# Altium PCB linux_board_PCB.PcbDoc (part 2 of 3)
Units mil, origin at the board's own origin, x right, y up, seen from the top; angles counter-clockwise.
Board outline 7095.54 x 3947.54 mil, 2 copper layers (Top Layer, Bottom Layer); 282 components, 277 nets, 1199 pads, 446 vias.
Unrouted connection lines stored in the file: 29.
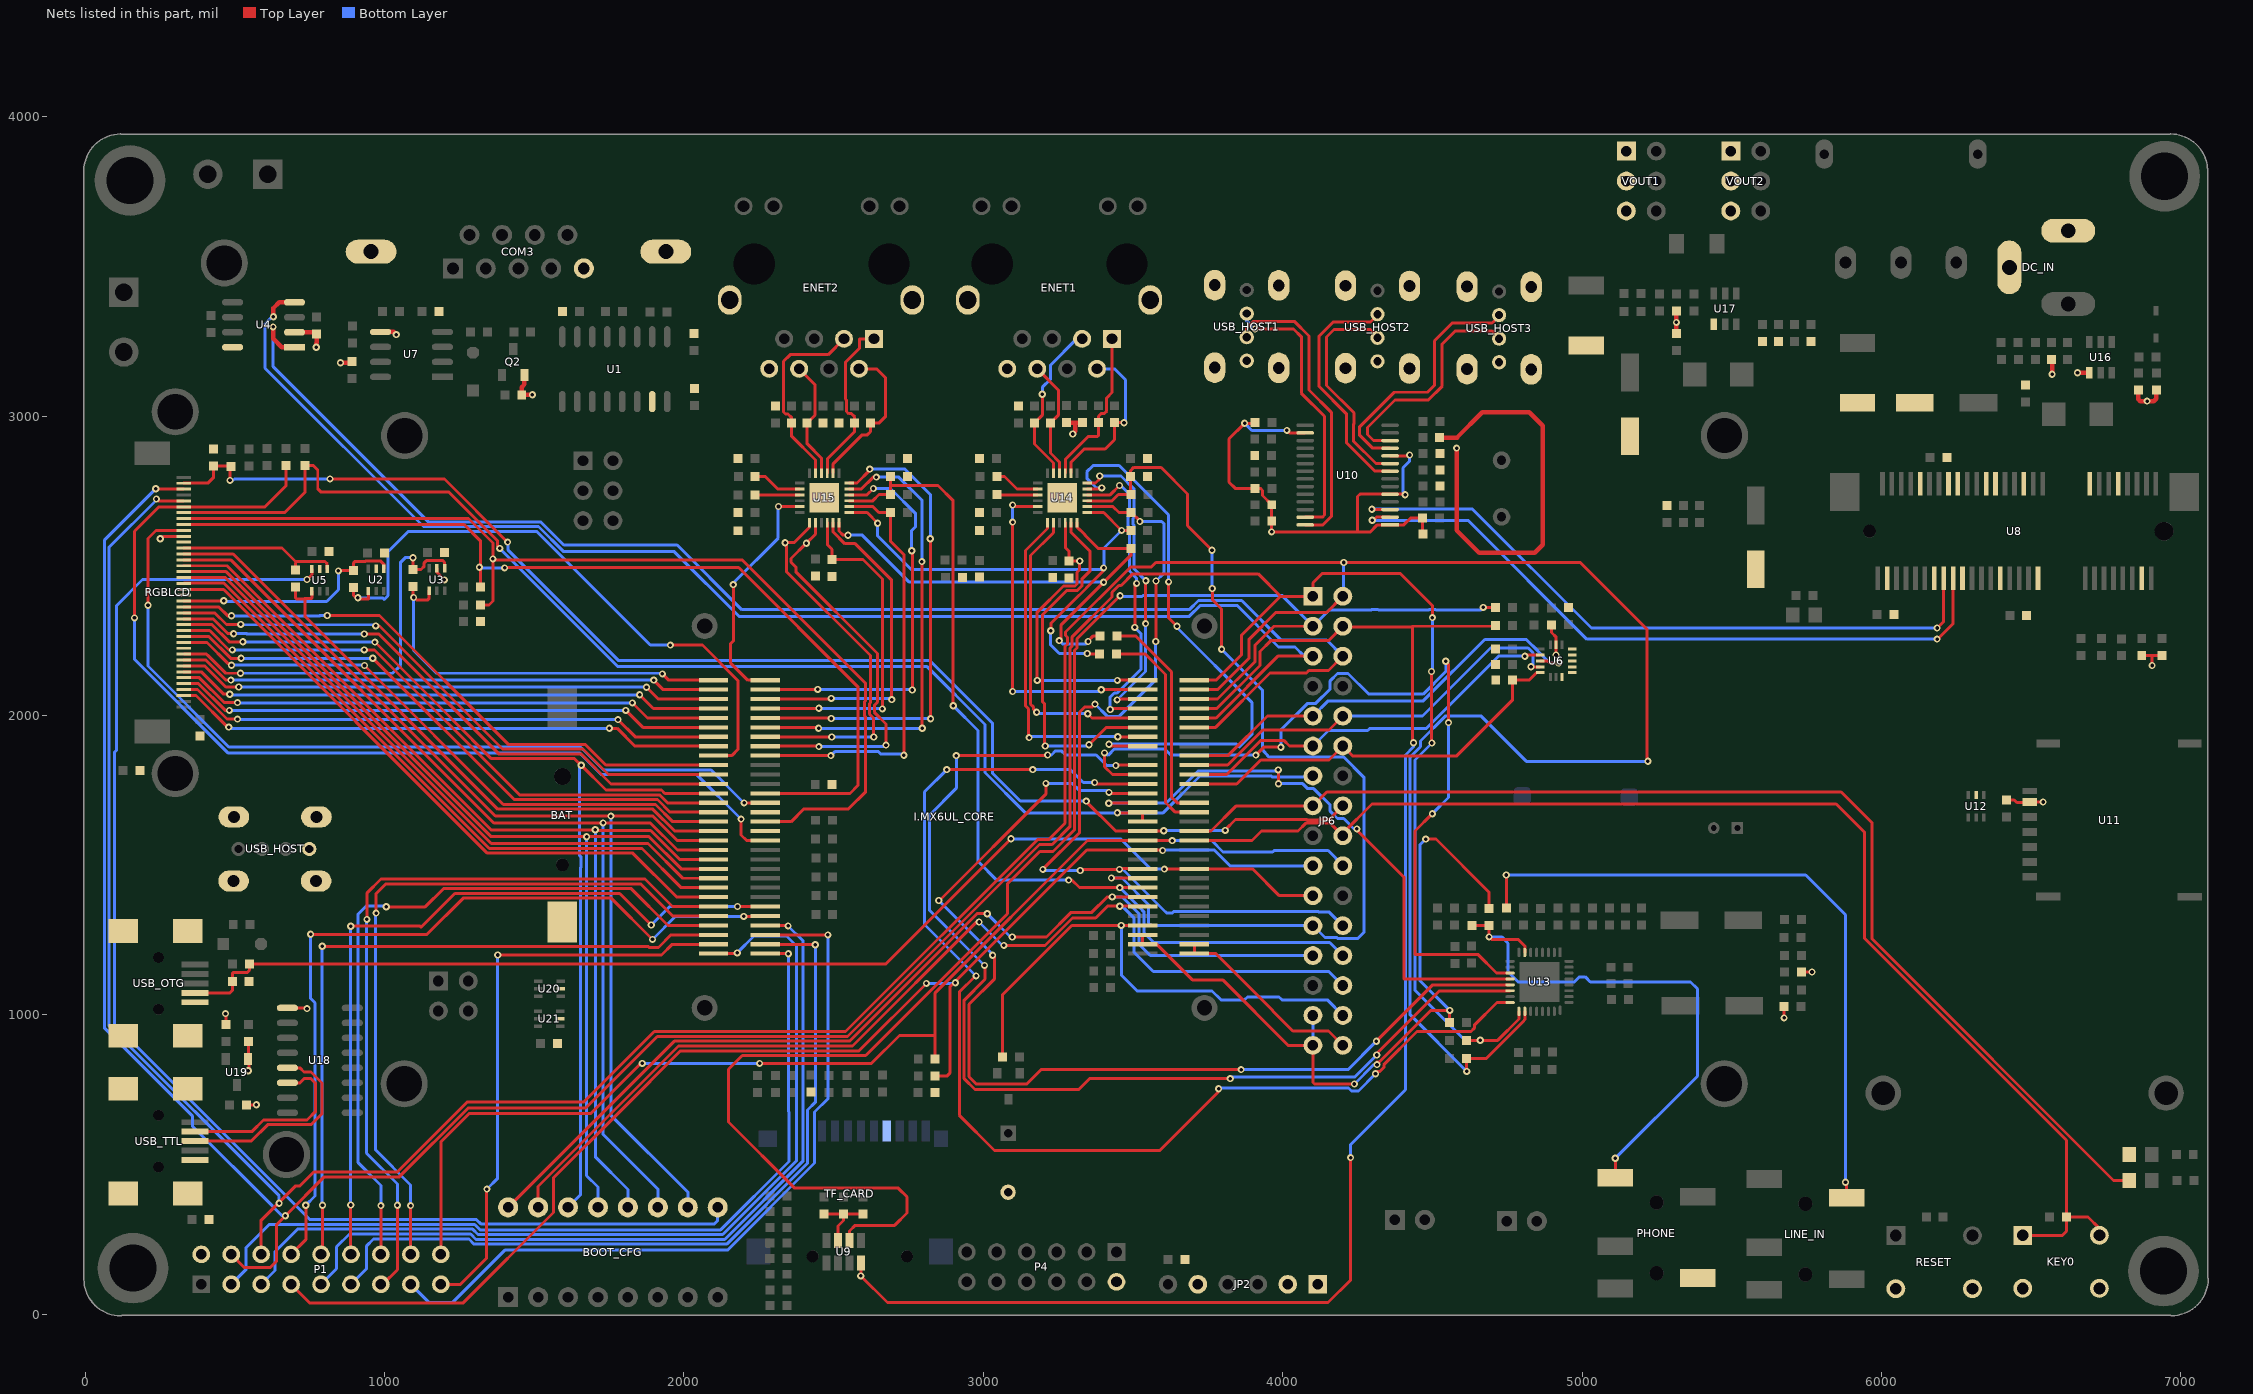
[diagram p2: the nets of this part, all layers, seen from the top]

## Via types
v1: diameter 24, hole 12, Top Layer to Bottom Layer, tented both sides, 317 vias
v2: diameter 24, hole 12, Top Layer to Bottom Layer, 127 vias
v3: diameter 29.53, hole 29.53, Top Layer to Bottom Layer, 2 vias

## Nets (pads, with @x,y where several pads share a name; then routed paths per layer and width w, separated by ;. In a path a pad name is that pad's centre, name@x,y a point inside that pad or via, vN(x,y) a via of type N, cw(c..) or ccw(c..) an arc to the next point about the centre after c; other vN are vias at no path point) (continued)
AUD_INT: I.MX6UL_CORE.J2_2 I.MX6UL_CORE.J2_3 JP6.29 JP6.31 R51.1 R52.2 | length 2531.2
  Top Layer w10: I.MX6UL_CORE.J2_3@3531.95,1267.3 I.MX6UL_CORE.J2_2@3531.95,1235.8 3579.4,1235.8 3698.2,1117 3799.47,1117 4018.47,898 JP6.31@4101,898 4101,774 4106,769 v2(4239.63,769) ; v2(4315,834) 4315,842 4316,843 4323.53,843 4495.53,1015 v1(4558,1015) 4557.75,1014.75 R51.1@4557.75,975 ; v2(4478,1587) 4512,1587 4689.5,1409.5 R52.2@4689.5,1355.25
  Bottom Layer w10: JP6.31@4101,898 JP6.29@4101,998 ; v2(4239.63,769) 4304.63,834 v2(4315,834) ; v2(4478,1587) 4458,1567 4458,1115 v1(4558,1015)
BEEP: I.MX6UL_CORE.J2_4 JP6.30 R18.1 | length 1741.7
  Top Layer w10: R18.1@3064.75,859 3064.75,1067.75 3295.8,1298.8 v1(3461,1298.8) I.MX6UL_CORE.J2_4@3531.95,1298.8
  Bottom Layer w10: v1(3461,1298.8) 3461,1133 3514,1080 3764.31,1080 3794.31,1050 3872.37,1050 3882.37,1060 3987.53,1060 3997.53,1050 4149,1050 JP6.30@4201,998
BLT_PWM: I.MX6UL_CORE.J2_15 I.MX6UL_CORE.J2_16 JP6.13 R16.1 RGBLCD.34 | length 4680.9
  Top Layer w10: RGBLCD.34@329.21,2677.25 666.25,2677.25 734,2745 R16.1@734,2834.75 762.25,2834.75 777,2820 777,2757 787,2747 1213.63,2747 1378,2582.63 1378,2565 v2(1385,2558) ; v1(3448,1675) 3530.2,1675 I.MX6UL_CORE.J2_16@3531.95,1676.75 I.MX6UL_CORE.J2_15@3531.95,1645.25
  Bottom Layer w10: v2(1385,2558) 1385,2557.37 1778.37,2164 2811,2164 3005.5,1969.5 3005.5,1809.5 3140,1675 v1(3448,1675) 3601,1675 3724,1798 3962,1798 3965,1795 4098,1795 JP6.13@4101,1798
BOOT_DATA7: BOOT_CFG.9 U5.3 | length 4455
  Top Layer w10: v1(741,2454) 757.41,2470.41 U5.3@757.41,2489.4
  Bottom Layer w10: v1(741,2454) 192,2454 104,2366 104,1883.18 98,1877.18 98,969 751,316 1307.63,316 1321.63,302 2102,302 2113,313 BOOT_CFG.9@2113,357
BOOT_MODE0: BOOT_CFG.15 I.MX6UL_CORE.J2_6 JP6.28 | length 3466.6
  Top Layer w10: BOOT_CFG.15@1513,357 1513,427 1982,896 2562.82,896 2981.41,1314.59 v1(2986,1310) ; v1(3069,1232) 3206.37,1232 3298,1323.63 3375.63,1323.63 3415,1363 v1(3456,1363) I.MX6UL_CORE.J2_6@3531.95,1363
  Bottom Layer w10: v1(2986,1310) 3064,1232 v1(3069,1232) ; v1(3456,1363) 3464,1363 3503,1324 3503,1210 3568,1145 4154,1145 JP6.28@4201,1098
BOOT_MODE1: BOOT_CFG.16 I.MX6UL_CORE.J2_7 JP6.25 | length 3424.7
  Top Layer w10: BOOT_CFG.16@1413,357 1968,912 2553.25,912 2979.63,1338.37 2980,1338 v1(3013,1338) ; v1(3096.5,1260) 3211,1260 3293.5,1342.5 3362.5,1342.5 3414,1394 v1(3431,1394) 3531.24,1394 I.MX6UL_CORE.J2_7@3531.95,1393.28
  Bottom Layer w10: v1(3013,1338) 3091,1260 v1(3096.5,1260) ; v1(3431,1394) 3464,1394 3520,1338 3520,1236 3558,1198 JP6.25@4101,1198
CAN1_RX: I.MX6UL_CORE.J2_35 JP6.5 U4.4 | length 4707
  Top Layer w10: I.MX6UL_CORE.J2_35@3705.18,1991.71 3777.71,1991.71 3984,2198 JP6.5@4101,2198
  Top Layer w15: v1(629,3332) 629,3361 648,3380 U4.4@699.35,3380
  Bottom Layer w10: v1(629,3332) 623.82,3332 601,3309.18 601,3160.17 1130.17,2631 1514.63,2631 1598.63,2547 1968.17,2547 2184.17,2331 3688.39,2331 3725.39,2368 3847.17,2368 3986.17,2229 4041,2229 4072,2198 JP6.5@4101,2198
  Bottom Layer w15: v1@627,3330 v1(629,3332)
CAN1_TX: I.MX6UL_CORE.J2_36 JP6.6 U4.1 | length 4848.9
  Top Layer w10: I.MX6UL_CORE.J2_36@3705.18,1960.21 3776.21,1960.21 3958,2142 4079.24,2142 4087.24,2150 4153,2150 JP6.6@4201,2198
  Top Layer w15: v1(628,3298) 628,3259 657,3230 U4.1@699.35,3230
  Bottom Layer w10: v1(628,3298) 628,3165 1146,2647 1521.25,2647 1598.75,2569.5 1977.5,2569.5 2193.5,2353.5 3688.27,2353.5 3718.76,2384 3863,2384 3995.5,2251.5 4120.26,2251.5 4120.76,2252 4147,2252 JP6.6@4201,2198
CAN2_RX: I.MX6UL_CORE.J2_40 JP6.10 U6.4 | length 1378.9
  Top Layer w10: I.MX6UL_CORE.J2_40@3705.18,1834.23 3816.23,1834.23 3933.5,1951.5 4154.5,1951.5 JP6.10@4201,1998 ; v1(4829.57,2162.57) U6.4@4859.96,2162.57
  Bottom Layer w10: JP6.10@4201,1998 4467,1998 4694,2225 4820.18,2225 4836,2209.18 4836,2169 v1(4829.57,2162.57)
CAN2_TX: I.MX6UL_CORE.J2_39 JP6.9 U6.3 | length 1475.1
  Top Layer w10: I.MX6UL_CORE.J2_39@3705.18,1865.72 3816.91,1865.72 3949.18,1998 JP6.9@4101,1998 ; U6.3@4859.96,2182.25 4884.75,2182.25 4891,2176 v1(4922,2176)
  Bottom Layer w10: JP6.9@4101,1998 4152,2049 4470,2049 4675,2254 4813.81,2254 4852,2215.81 4852,2215 4891,2176 v1(4922,2176)
CBC_KEY: JP2.2
CBC_LED: JP2.1
CH340_D+: U18.5 USB_TTL.3 | length 700.8
  Top Layer w10: USB_TTL.3@367.36,578.39 555.09,578.39 609.7,633 754.7,633 791,669.3 791,772.63 754.63,809 731,809 717,823 U18.5@675.73,823
CH340_D-: U18.6 USB_TTL.2 | length 631.4
  Top Layer w10: USB_TTL.2@367.36,609.88 556.88,609.88 596,649 741,649 770,678 770,771 753,788 733,788 718,773 U18.6@675.73,773
CSI_DATA0: I.MX6UL_CORE.J1_56 P1.8 | length 2766.9
  Top Layer w10: P1.8@688,200 737,249 v1(737,364) ; v1(753,1269) 1142,1269 1262.63,1389.63 1757.37,1389.63 v1(1895,1252) ; v1(2200,1329) 2270.82,1329 I.MX6UL_CORE.J1_56@2272.11,1330.29
  Bottom Layer w10: v1(737,364) 768,395 768,1040.18 753,1055.18 v1(753,1269) ; v1(1895,1252) 1972,1329 v1(2200,1329)
CSI_DATA1: I.MX6UL_CORE.J1_57 P1.9 | length 2720
  Top Layer w10: I.MX6UL_CORE.J1_57@2272.11,1298.8 2346.2,1298.8 v1(2348,1297)
  Bottom Layer w10: P1.9@788,100 840,152 840,225 883,268 1287.75,268 1305.75,250 2136.25,250 2397,510.75 2397,1248 v1(2348,1297)
CSI_DATA2: I.MX6UL_CORE.J1_3 P1.10 | length 2357.5
  Top Layer w10: P1.10@788,200 793,205 v1(793,364) ; v1(792,1229) 1879.82,1229 1883.82,1225 1915,1225 1957.3,1267.3 I.MX6UL_CORE.J1_3@2098.88,1267.3
  Bottom Layer w10: v1(792,1229) 792,365 v1(793,364)
CSI_DATA3: I.MX6UL_CORE.J1_59 P1.11 | length 2659.3
  Top Layer w10: I.MX6UL_CORE.J1_59@2272.11,1235.8 2437.2,1235.8 v1(2439,1234)
  Bottom Layer w10: P1.11@888,100 939,151 939,227 963,251 1282.12,251 1299.12,234 2142.88,234 2413,504.12 2413,681.82 2439,707.82 v1(2439,1234)
CSI_DATA4: I.MX6UL_CORE.J1_55 P1.12 | length 2599.8
  Top Layer w10: v1(887,365) 887,203 889,201 P1.12@888,200 ; v1(887,1296) 1119,1296 1122,1293 1234.63,1405.63 1785.37,1405.63 v1(1891,1300) ; v1(2179,1362) 2210,1362 2210.21,1361.79 I.MX6UL_CORE.J1_55@2272.11,1361.79
  Bottom Layer w10: v1(887,365) v1(887,1296) ; v1(1891,1300) 1953,1362 v1(2179,1362)
CSI_DATA5: I.MX6UL_CORE.J1_6 P1.13 | length 2590.6
  Top Layer w10: v1(941,1319) 941,1406 988.63,1453.63 1870.37,1453.63 1962.21,1361.79 I.MX6UL_CORE.J1_6@2098.88,1361.79 ; P1.13@988,100 994,100 1043,149 v1(1043,364)
  Bottom Layer w10: v1@940,1319 940,538 1043,435 v1(1043,364)
CSI_DATA6: I.MX6UL_CORE.J1_4 P1.14 | length 2444.6
  Top Layer w10: P1.14@988,200 986,202 988,204 v1(988,363) ; v1(1006,1361) 1136,1361 1196.63,1421.63 1824.37,1421.63 1947.2,1298.8 I.MX6UL_CORE.J1_4@2098.88,1298.8
  Bottom Layer w10: v1(988,363) 988,430 912,506 912,1337 938,1363 1004,1363 v1(1006,1361)
CSI_DATA7: I.MX6UL_CORE.J1_58 P1.15 | length 2555.4
  Top Layer w10: I.MX6UL_CORE.J1_58@2272.11,1267.3 2480.7,1267.3 v1(2481,1267)
  Bottom Layer w10: P1.15@1088,100 1148,40 1228,40 1402,214 2145.51,214 2436.58,505.07 2436.58,675.21 2481,719.63 v1(2481,1267)
CSI_HSYNC: I.MX6UL_CORE.J1_1 P1.5 | length 3043.4
  Top Layer w10: I.MX6UL_CORE.J1_1@2098.88,1204.31 2175.31,1204.31 v1(2178,1207)
  Bottom Layer w10: P1.5@588,100 634,146 634,209 709,284 1294.37,284 1312.37,266 2129.63,266 2376,512.37 2376,1230 2343,1263 2234,1263 v1(2178,1207)
CSI_MCLK: I.MX6UL_CORE.J1_2 P1.17 | length 1952.7
  Top Layer w10: P1.17@1188,100 1254,100 1341,187 v1@1341,418 ; v1@1378,1193 v1(1378,1200) 1925,1200 1960.8,1235.8 I.MX6UL_CORE.J1_2@2098.88,1235.8
  Bottom Layer w10: v1(1342,418) 1378,454 v1@1378,1193
CSI_PIXCLK: I.MX6UL_CORE.J1_5 P1.16 | length 2445.4
  Top Layer w10: v1(972,1340) 972,1403 971,1404 1004.63,1437.63 1855.37,1437.63 1962.71,1330.29 I.MX6UL_CORE.J1_5@2098.88,1330.29 ; v1(1087,363) 1087,215 1095,207 P1.16@1088,200
  Bottom Layer w10: v1@970,1340 970,549 1087,432 v1(1087,363)
CSI_PWDN: I.MX6UL_CORE.J2_13 JP6.20 P1.18 R7.1 | length 4006.9
  Top Layer w10: P1.18@1188,200 1188,575 1284,671 1690,671 1857,838 v1(1861,838) ; v1(2253,838) 2627,838 2720,931 2839.25,931 ; R7.1@2839.25,853 2839.25,931 ; v1(3631,1582) 3630.74,1582.26 I.MX6UL_CORE.J2_13@3531.95,1582.26 3348.07,1582.26 2839.25,1073.44 2839.25,931
  Bottom Layer w10: v1(1861,838) v1(2253,838) ; v1(3631,1582) 3763,1582 3801,1544 3966.53,1544 3971.53,1549 4152,1549 4201,1500 JP6.20@4201,1498
CSI_RESET: I.MX6UL_CORE.J2_12 JP6.19 P1.7 R3.1 | length 4522.6
  Top Layer w10: P1.7@688,100 751,37 1261.54,37 1564.54,340 1564.54,455.91 1788.63,680 1789,680 1989,880 2585,880 v1(2810,1105) ; R3.1@2839.25,795 2878,795 2888,805 2888,1093 3346,1551 3531.72,1551 I.MX6UL_CORE.J2_12@3531.95,1550.76 3597.24,1550.76 v1(3599,1549)
  Bottom Layer w10: v1(2810,1105) 2905,1105 v1(2907,1107) ; v1(3599,1549) 3600,1550 3772.37,1550 3824.37,1498 JP6.19@4101,1498
CSI_VSYNC: I.MX6UL_CORE.J1_60 P1.3 | length 2870.2
  Top Layer w10: I.MX6UL_CORE.J1_60@2272.11,1204.31 v1(2349,1204.31)
  Bottom Layer w10: P1.3@488,100 538,150 538,223 615,300 1301,300 1319,282 2123,282 2351,510 2351,675.93 2350,676.93 2350,1211 v1@2351,1212
CT_INT: C87.2 I.MX6UL_CORE.J2_14 JP6.16 R12.1 RGBLCD.39 | length 4614.1
  Top Layer w10: RGBLCD.39@329.21,2775.67 409.67,2775.67 428,2794 C87.2@428,2833.75 486.25,2833.75 R12.1@488,2832 484,2828 v2(484,2785) ; v2(818,2790) 1200,2790 v2(1411,2579) ; v2(3344,1714) 3344,1712 3442.24,1613.76 I.MX6UL_CORE.J2_14@3531.95,1613.76 3601.76,1613.76 v1(3603,1615) ; v1(3808,1616) 3808,1618 3842.69,1652.69 4080.56,1652.69 4081.74,1651.5 4120.26,1651.5 4121.44,1652.69 4155.69,1652.69 JP6.16@4201,1698
  Bottom Layer w10: v2(484,2785) 494,2785 499,2790 v2(818,2790) ; v2(1411,2579) 1411,2577 1413,2575 1413,2552 1782,2183 2822,2183 3030,1975 3030,1807.63 3123.63,1714 v2(3344,1714) ; v1(3603,1615) 3604,1616 v1(3808,1616) v1@3807,1615
CT_RST: I.MX6UL_CORE.J1_48 R14.1 RGBLCD.35 | length 3453.1
  Top Layer w10: v2(165,2326) 165,2615 246.93,2696.93 RGBLCD.35@329.21,2696.93 600.93,2696.93 671,2767 R14.1@671,2834.75 ; v2(2191,1654) 2191,1601 2209.74,1582.26 I.MX6UL_CORE.J1_48@2272.11,1582.26
  Bottom Layer w10: v2(165,2326) 165,2187.37 478.37,1874 1653.12,1874 1725.12,1802 2043,1802 v2(2191,1654)
ECSPI3_SCLK: I.MX6UL_CORE.J2_41 JP6.11 U6.2 | length 1335.9
  Top Layer w10: I.MX6UL_CORE.J2_41@3705.18,1802.73 3813.21,1802.73 3927.47,1917 4003.53,1917 4022.53,1898 JP6.11@4101,1898 ; v1(4809,2198) 4812.94,2201.94 U6.2@4859.96,2201.94
  Bottom Layer w10: JP6.11@4101,1898 4153,1950 4283.82,1950 4289.82,1956 4478.85,1956 4720.85,2198 v1(4809,2198)
ECSPI3_SS0: I.MX6UL_CORE.J2_42 JP6.12 R17.2 U6.5 | length 1375.8
  Top Layer w10: I.MX6UL_CORE.J2_42@3705.18,1771.24 3705.68,1770.73 3846.26,1770.73 3927.03,1851.5 4154.5,1851.5 JP6.12@4201,1898 4235,1864 4580,1864 4768.25,2052.25 R17.2@4768.25,2118 4823.18,2118 4848.07,2142.88 U6.5@4859.96,2142.88
ENET1_CRS_DV: I.MX6UL_CORE.J2_25 U14.11 | length 1213.3
  Top Layer w10: v1(3207,1898) 3205,1900 3205,2038 3198.38,2044.62 3198.38,2337.38 3277.75,2416.75 3313.18,2416.75 3329,2432.57 3329,2455.19 3357,2483.19 3357,2548 3293.53,2611.47 U14.11@3293.53,2644.28 ; v1(3353,1902) 3411.21,1960.21 I.MX6UL_CORE.J2_25@3531.95,1960.21
  Bottom Layer w10: v1(3207,1898) 3349,1898 v1(3353,1902)
ENET1_INT_TREE#: I.MX6UL_CORE.J2_10 JP6.24 R63.2 U14.14 | length 2903.9
  Top Layer w10: v2(3199,1486) 3321,1608 3321,2010.53 3339.47,2029 3364,2029 v2(3373,2038) ; v2(3324,1482) 3328,1486 v1(3455,1486) 3458,1489 I.MX6UL_CORE.J2_10@3531.95,1489 ; U14.14@3346.72,2697.47 3433.53,2697.47 3453.08,2677.92 R63.2@3493.75,2677.92 3495.08,2677.92 3523,2650 v2(3523,2648) ; v2(3576,2247) 3577,2248 v2(3577,2449)
  Bottom Layer w10: v2(3199,1486) 3196,1486 3192,1482 v2(3324,1482) ; v2(3373,2038) 3373.47,2038 3414.47,1997 3454,1997 3576,2119 v2(3576,2247) ; v1(3455,1486) 3462,1486 3463,1485 3465.24,1487.24 3466.74,1485.74 3599,1353.47 3612.47,1340 3631.53,1340 3636.02,1344.5 4120.26,1344.5 4121.76,1343 4156,1343 JP6.24@4201,1298 ; v2(3523,2648) 3596,2648 3603,2641 3603,2475 v2(3577,2449)
ENET1_LED1: R64.2 U14.3 | length 134.9
  Top Layer w10: R64.2@3046.36,2736.84 U14.3@3181.28,2736.84
ENET1_LED2: R62.2 U14.2 | length 153.2
  Top Layer w10: R62.2@3045.25,2797.97 3071.03,2797.97 3112.47,2756.53 U14.2@3181.28,2756.53
ENET1_RST: C54.2 I.MX6UL_CORE.J2_9 JP6.23 R65.2 U14.15 | length 3398.3
  Top Layer w10: U14.15@3346.72,2717.16 3430.26,2717.16 3451.05,2737.95 R65.2@3493.75,2737.95 3492.5,2739.2 C54.2@3492.5,2797.97 3492.5,2818.5 3503,2829 3504,2828 3594,2828 3682,2740 3682,2634 v2(3764,2552) ; v1(3428,1457) 3531.95,1457 I.MX6UL_CORE.J2_9@3532.95,1456 ; v2(3765,2424) 3765,2387 3796,2356 v2(3796,2221)
  Bottom Layer w10: v1(3428,1457) 3463,1457 3553,1367 3552,1366 3552,1307 3561,1298 JP6.23@4101,1298 4141,1258 4180.9,1258 4183.4,1255.5 4251.5,1255.5 4271,1275 4271,1794 4204,1861 3954,1861 3932,1887 3932,2085 v2(3796,2221) ; v2(3764,2552) 3764,2425 v2(3765,2424)
ENET1_RXD0: I.MX6UL_CORE.J2_26 U14.8 | length 1035.2
  Top Layer w10: v1(3178,2011) 3167,2022 3167,2028.81 3158,2037.81 3158,2534 3234.47,2610.47 U14.8@3234.47,2644.28 ; v1(3349,2006) 3363.29,1991.71 I.MX6UL_CORE.J2_26@3531.95,1991.71
  Bottom Layer w10: v1(3178,2011) 3183,2006 v1(3349,2006)
ENET1_RXD1: I.MX6UL_CORE.J2_24 U14.7 | length 1134.1
  Top Layer w10: v1(3153,1926) 3151,1928 3151,2022.18 3141,2032.18 3141,2551 3214.79,2624.79 U14.7@3214.79,2644.28 ; v1(3449,1929) 3449.28,1928.72 I.MX6UL_CORE.J2_24@3531.95,1928.72
  Bottom Layer w10: v1(3153,1926) 3156,1929 v1(3449,1929)
ENET1_RXER: I.MX6UL_CORE.J2_30 R13.2 U14.10 | length 1000.5
  Top Layer w10: v1(3180,2117) 3180,2345 3267.75,2432.75 3306.56,2432.75 3313,2439.19 3313,2478 3321.25,2486.25 3321.25,2515.25 R13.2@3287,2515.25 3287,2548 3273.84,2561.16 U14.10@3273.84,2644.28 ; v1(3448,2117) 3448.69,2117.69 I.MX6UL_CORE.J2_30@3531.95,2117.69
  Bottom Layer w10: v1(3180,2117) v1(3448,2117)
  other v1: 3322,2516
ENET1_RXN: ENET1.6 R60.2 U14.22 | length 400.5
  Top Layer w10: ENET1.6@3180,3158 3250.62,3087.38 3250.62,3003 R60.2@3224.62,2977 3224.62,2876.38 3254.16,2846.84 U14.22@3254.16,2809.72
ENET1_RXP: ENET1.3 R59.2 U14.23 | length 551
  Top Layer w10: v1(3197,3073) 3197,3053.68 3197.31,3053.37 3197.31,3003 R59.2@3171.31,2977 3171.31,2906.69 3234.47,2843.53 U14.23@3234.47,2809.72
  Bottom Layer w10: v1(3197,3073) 3197,3096 3225,3124 3225,3171 3312,3258 ENET1.3@3330,3258
ENET1_TX_CLK: I.MX6UL_CORE.J2_29 U14.5 | length 1145.1
  Top Layer w10: v1(3098,2080) v1(3098,2646) ; v1(3098,2703) 3103.53,2697.47 U14.5@3181.28,2697.47 ; v1@3389,2081 v1(3394.2,2086.2) I.MX6UL_CORE.J2_29@3531.95,2086.2
  Bottom Layer w10: v1(3098,2080) 3388,2080 v1@3389,2081 ; v1(3098,2646) v1(3098,2703)
ENET1_TXD0: I.MX6UL_CORE.J2_23 U14.17 | length 1947
  Top Layer w10: U14.17@3346.72,2756.53 3392.53,2756.53 v2(3396,2760) ; v2(3420,1904) 3426.78,1897.22 I.MX6UL_CORE.J2_23@3531.95,1897.22 ; v2(3619,2446) 3619,2326 v2(3647,2298)
  Bottom Layer w10: v2(3396,2760) 3378,2760 3346,2792 3346,2814 3367,2835 3454,2835 3619,2670 v2(3619,2446) ; v2(3420,1904) 3846,1904 3855,1895 3897,1937 3897,2044 3647,2294 v2(3647,2298)
ENET1_TXD1: I.MX6UL_CORE.J2_28 U14.18 | length 1040.5
  Top Layer w10: U14.18@3346.72,2776.21 3375.21,2776.21 3389,2790 v2(3389,2800) ; v2(3447,2052) 3449.7,2054.7 I.MX6UL_CORE.J2_28@3531.95,2054.7 ; v2(3542,2307) 3542,2449 v2(3543,2450)
  Bottom Layer w10: v2(3389,2800) 3460,2800 3504,2756 3504,2661.53 3500,2657.53 3500,2638.47 3504,2634.47 3504,2489 v2(3543,2450) ; v2(3447,2052) 3542,2147 v2(3542,2307)
ENET1_TXEN: I.MX6UL_CORE.J2_27 U14.16 | length 1066.5
  Top Layer w10: U14.16@3346.72,2736.84 3423.84,2736.84 v2(3455,2768) ; v2(3424,2020) 3427.2,2023.2 I.MX6UL_CORE.J2_27@3531.95,2023.2 ; v2(3506,2294) 3506,2435 v2(3512,2441)
  Bottom Layer w10: v2(3424,2020) 3424,2061.53 3437.47,2075 3447.37,2075 3526,2153.63 3526,2274 v2(3506,2294) ; v2(3455,2768) 3459,2768 3488,2739 3488,2668.15 3484,2664.15 3484,2631.85 3488,2627.85 3488,2482.37 3512,2458.37 v2(3512,2441)
ENET1_TXN: ENET1.2 R58.2 U14.20 | length 556.5
  Top Layer w10: U14.20@3293.53,2809.72 3293.53,2846.53 3337,2890 3407,2890 3438,2921 R58.2@3438,2978 v1(3470,2978)
  Bottom Layer w10: ENET1.2@3380,3158 3438,3158 3475,3121 3475,2983 v1(3470,2978)
ENET1_TXP: ENET1.1 R57.2 U14.21 | length 537.2
  Top Layer w10: U14.21@3273.84,2809.72 3273.84,2854.84 3350.5,2931.5 3381.5,2931.5 3384.69,2934.69 R57.2@3384.69,2978 3384.69,2999.31 3393.88,3008.5 3404.24,3008.5 3412,3016.26 3412,3060.5 3430,3078.5 ENET1.1@3430,3258
ENET2_CRS_DV: I.MX6UL_CORE.J1_33 U15.11 | length 1117
  Top Layer w10: I.MX6UL_CORE.J1_33@2272.11,2054.7 2489.7,2054.7 v1(2492,2057) ; U15.11@2498.53,2644.28 2498.53,2612.84 2537.37,2574 2572,2574 2694,2452 v1(2694,2053)
  Bottom Layer w10: v1(2492,2057) 2690,2057 v1(2694,2053)
ENET2_INT_TREE#: I.MX6UL_CORE.J1_39 R71.2 U15.14 | length 1449.7
  Top Layer w10: I.MX6UL_CORE.J1_39@2272.11,1865.72 2490.72,1865.72 v1(2491,1866) ; U15.14@2551.72,2697.47 2631.53,2697.47 2651.08,2677.92 R71.2@2690.75,2677.92 2690.75,2581.07 2735,2536.82 v1(2735,1867)
  Bottom Layer w10: v1(2491,1866) 2504,1879 2649.66,1879 2656.66,1872 2730,1872 v1(2735,1867)
ENET2_LED1: R69.2 U15.3 | length 149.3
  Top Layer w10: R69.2@2237,2737 2386.12,2737 U15.3@2386.28,2736.84
ENET2_LED2: R68.2 U15.2 | length 165.2
  Top Layer w10: R68.2@2238.25,2797.97 2272.03,2797.97 2313.47,2756.53 U15.2@2386.28,2756.53
ENET2_RST: C64.2 I.MX6UL_CORE.J2_8 JP6.26 R72.2 U15.15 | length 3142.8
  Top Layer w10: U15.15@2551.72,2717.16 2631.16,2717.16 2651.95,2737.95 R72.2@2690.75,2737.95 2690.5,2738.2 2690.5,2768.09 ; C64.2@2690.5,2797.97 2690.5,2768.09 ; v2(2899.5,2032.5) 2899.5,2717.5 2848.91,2768.09 2690.5,2768.09 ; v2(3285,1450) 3296,1450 3321,1425 v1(3456,1425) 3531.73,1425 I.MX6UL_CORE.J2_8@3531.95,1424.78
  Bottom Layer w10: v2(2899.5,2032.5) 2982,1950 2982,1513 3045,1450 v2(3285,1450) ; v1(3456,1425) 3531.5,1349.5 ; 3531.31,1349.31 3536,1344.63 3536,1275 3569,1242 4157,1242 JP6.26@4201,1198
ENET2_RXD0: I.MX6UL_CORE.J1_38 U15.8 | length 1322.9
  Top Layer w10: I.MX6UL_CORE.J1_38@2272.11,1897.22 2449.78,1897.22 v1(2451,1896) ; U15.8@2439.47,2644.28 2439.47,2605.47 v1(2409,2575) 2358,2524 2358,2511.82 2374,2495.82 2374,2480 2647,2207 2647,2044.18 2636,2033.18 2636,2010.82 2675,1971.82 v1(2675,1901)
  Bottom Layer w10: v1(2451,1896) 2670,1896 v1(2675,1901)
ENET2_RXD1: I.MX6UL_CORE.J1_37 U15.7 | length 1255
  Top Layer w10: I.MX6UL_CORE.J1_37@2272.11,1928.72 2493.28,1928.72 v1(2494,1928) ; U15.7@2419.79,2644.28 2419.79,2628.79 2368,2577 v1(2338,2577) 2342,2573 2342,2481 2623,2200 2623,2042.81 2620,2039.81 2620,2004.19 2633,1991.19 2633,1929 v1(2634,1928)
  Bottom Layer w10: v1(2494,1928) v1(2634,1928)
ENET2_RXER: I.MX6UL_CORE.J1_34 R70.2 U15.10 | length 1150.9
  Top Layer w10: I.MX6UL_CORE.J1_34@2272.11,2023.2 2450.2,2023.2 v1(2451,2024) ; U15.10@2478.84,2644.28 2478.84,2571.16 2495,2555 R70.2@2495,2521 2598,2521 2663,2456 v1(2663,2022)
  Bottom Layer w10: v1(2451,2024) 2661,2024 v1(2663,2022)
ENET2_RXN: ENET2.6 R67.2 U15.22 | length 400.9